# Altium PCB FPGA_SHIELD_MARK1.PcbDoc
Units mil, origin at the board's own origin, x right, y up, seen from the top; angles counter-clockwise.
Board outline 3305 x 2570 mil, 2 copper layers (Top Layer, Bottom Layer); 141 components, 161 nets, 698 pads, 4 vias.
Unrouted connection lines stored in the file: 387.
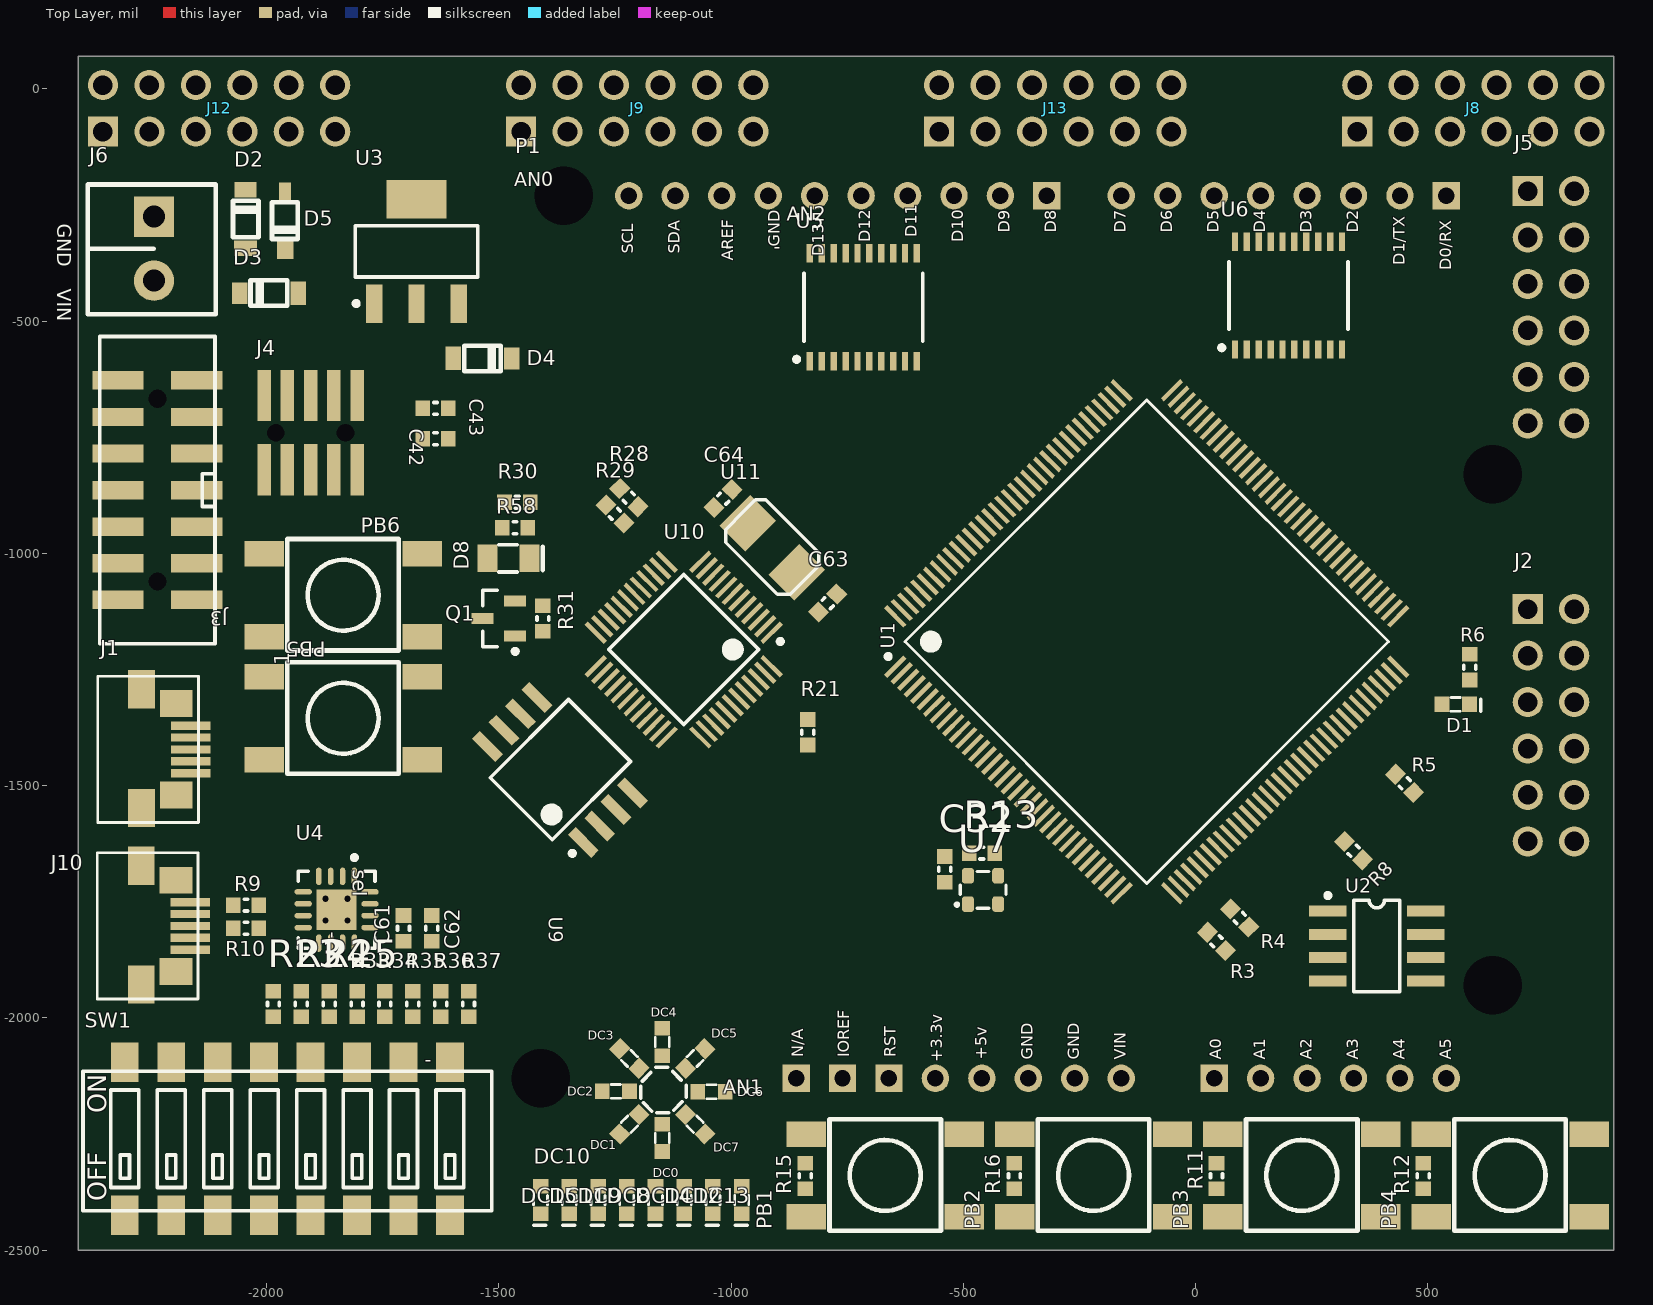
[diagram p0: Top Layer view]
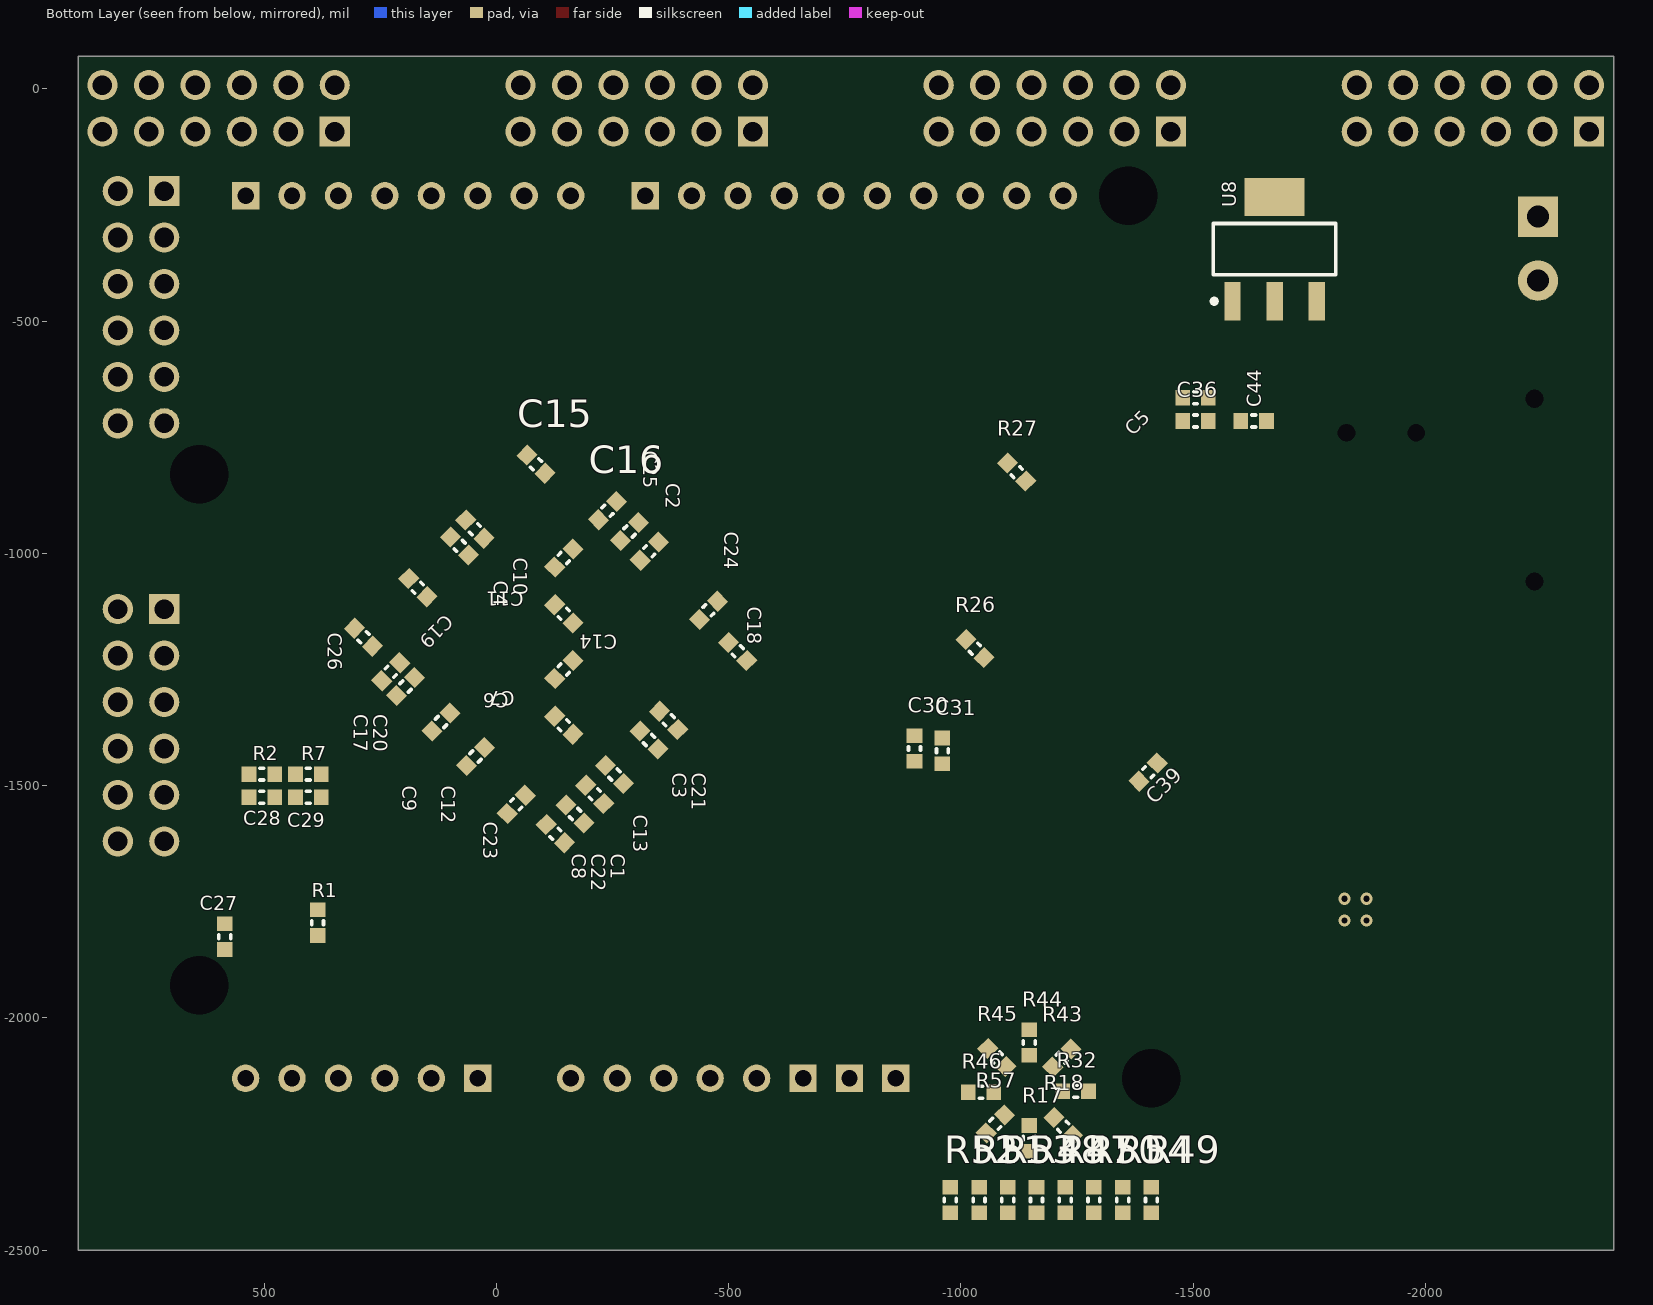
[diagram p1: Bottom Layer view, seen from below]

## Layer stack, top to bottom
Top Layer: signal copper 1.4
Dielectric: dielectric 12.6, FR-4, Dk 4.8
Bottom Layer: signal copper 1.4

## Board outline
-2405,-2500 900,-2500 900,70 -2405,70

## Design rules (kind name [scope] priority, off if disabled: settings)
Clearance Poly [InPoly] p1: gap=10
Clearance [All] p2: gap=6
ComponentClearance LEDS+Mounts [(HasFootprint('LTM-450')) vs (HasFootprint('LED T1-3/4 GREEN - 0.45" STANDOFF') OR HasFootprint('LED T1-3/4 RED -  0.45" STANDOFF'))] p1: gap=0 collisioncheckmode=3 verticalgap=0 showdistances=FALSE
ComponentClearance ComponentClearance_1 [OnLayer('Mechanical 1')] p2: gap=0 collisioncheckmode=3 verticalgap=0 showdistances=FALSE
ComponentClearance [All] p3: gap=10 collisioncheckmode=3 verticalgap=10 showdistances=FALSE
Height [All] p1: minheight=0 maxheight=1500 prefheight=500
HoleSize [All] p1: absolutevalues=TRUE maxlimit=250 minlimit=1 maxpercent=80.000 minpercent=20.000
HoleToHoleClearance [All] p1: gap=2 allowstackedmicrovias=TRUE
MinimumSolderMaskSliver [All] p1: minsoldermaskwidth=0
PlaneConnect [All] p1: planeconnectstyle=Direct reliefexpansion=20 reliefentries=4 reliefconductorwidth=10 reliefairgap=10
PolygonConnect [All] p1: connectstyle=Direct reliefconductorwidth=10 reliefentries=4 polygonreliefangle="90 Angle"
RoutingVias [All] p1: holewidth=12 width=16 viastyle="Through Hole" minholewidth=12 minwidth=16 maxholewidth=12 maxwidth=16
SilkToSilkClearance [All] p1: silktosilkclearance=0
SilkscreenOverComponentPads [All] p1: minsilkscreentomaskgap=0
SolderMaskExpansion [All] p1: expansion=4
Width [All] p1: maxlimit=100 minlimit=6 preferedwidth=6
20 further rules are at their usual default settings.

## Classes and differential pairs
component class DIGITAL_IO: C61 C62 DC0 DC1 DC2 DC3 DC4 DC5 DC6 DC7 DC8 DC9 DC10 DC11 DC12 DC13 DC14 DC15 J2 J5 J8 J9 J10 J12 J13 PB1 PB2 PB3 PB4 R9 R10 R11 R12 R15 R16 R17 R18 R23 R24 R25 R32 R33 R34 R35 R36 R37 R43 R44 R45 R46 R47 R48 R49 R50 R51 R52 R53 R54 R57 SW1 U4 U5 U6
component class FPGA_POWER_AND_CONFIGURATION: C1 C2 C3 C4 C5 C6 C7 C8 C9 C10 C11 C12 C13 C14 C15 C16 C17 C18 C19 C20 C21 C22 C23 C24 C25 C26 C27 C28 C29 C32 D1 J3 R1 R2 R3 R4 R5 R6 R7 R8 R13 U2 U7
component class LOGIC_FPGA: U1
component class LOGIC_MCU: C30 C31 C39 C63 C64 D8 J1 J4 PB5 PB6 Q1 R21 R26 R27 R28 R29 R30 R31 R58 U9 U10 U11
component class POWER_SUPPLY: C36 C42 C43 C44 D2 D3 D4 D5 J6 P1 U3 U8

## Components (designator, comment, footprint, x,y, rotation, side; value= is the part's Value field where it differs from the comment)
C1 "4.7uF" C0603 -211.67,-1518.5 r225 bottom
C2 "4.7uF" C0603 -329.05,-995.25 r135 bottom
C3 "4.7uF" C0603 -328.34,-1401.83 r225 bottom
C4 "4.7uF" C0603 79.26,-983.89 r45 bottom
C5 "4.7uF" C0603 -1505,-665 r0 bottom
C6 "4.7uF" C0603 -145.01,-1249.95 r315 bottom
C7 "4.7uF" C0603 -145.01,-1369.93 r45 bottom
C8 "4.7uF" C0603 -126.81,-1603.36 r225 bottom
C9 "4.7uF" C0603 119.26,-1362.94 r315 bottom
C10 "4.7uF" C0603 46.43,-947.87 r45 bottom
C11 "0.47uF" C0603 -145.01,-1009.99 r135 bottom
C12 "0.47uF" C0603 45.01,-1437.19 r315 bottom
C13 "0.47uF" C0603 -254.09,-1476.08 r225 bottom
C14 "0.47uF" C0603 -145.01,-1129.97 r225 bottom
C15 "4.7uF" C0603 -85.09,-808.07 r45 bottom
C16 "4.7uF" C0603 -239,-908.07 r135 bottom
C17 "4.7uF" C0603 227.45,-1254.75 r315 bottom
C18 "4.7uF" C0603 -519.26,-1210.91 r225 bottom
C19 "0.47uF" C0603 169.26,-1073.89 r45 bottom
C20 "0.47uF" C0603 195.63,-1286.57 r315 bottom
C21 "0.47uF" C0603 -370.76,-1359.41 r225 bottom
C22 "0.47uF" C0603 -169.24,-1560.93 r225 bottom
C23 "0.47uF" C0603 -42.71,-1540.07 r315 bottom
C24 "0.47uF" C0603 -456.32,-1122.52 r135 bottom
C25 "0.47uF" C0603 -286.62,-952.82 r135 bottom
C26 "0.47uF" C0603 286.14,-1180.51 r45 bottom
C27 "0.1uF" C0603 585,-1825 r270 bottom
C28 "0.1uF" C0603 505,-1525 r180 bottom
C29 "0.1uF" C0603 405,-1525 r180 bottom
C30 "0.1uF" C0603 -900,-1420 r90 bottom
C31 "0.1uF" C0603 -960,-1425 r90 bottom
C32 "0.1uF" C0603 -540,-1680 r90 top
C36 "4.7uF" C0603 -1505,-715 r0 bottom
C39 "0.1uF" C0603 -1403,-1471 r135 bottom
C42 "4.7uF" C0603 -1636.04,-753.19 r0 top
C43 "0.1uF" C0603 -1636.04,-687.91 r180 top
C44 "0.1uF" C0603 -1630,-715 r180 bottom
C61 "0.1uF" C0603 -1705,-1807 r90 top
C62 "0.1uF" C0603 -1644,-1807 r90 top
C63 "18pF" C0603 -792,-1107 r45 top
C64 "18pF" C0603 -1017,-882 r45 top
D1 "APT1608CGCK" "LED_0603 - GREEN" 560,-1325 r0 top
D2 "RB161M-20TR" SOD-123#1 -2045,-280 r0 top
D3 "RB161M-20TR" SOD-123#1 -1995,-440 r90 top
D4 "RB161M-20TR" SOD-123#1 -1535,-580 r270 top
D5 "RB161M-20TR" SOD-123#2 -1960,-335 r180 top
D8 "LED 3X1.5MM 568NM GN WTR CLR SMD" "LED_1206 - GREEN" -1480,-1010 r0 top
DC0 "LED 1.6X0.8MM 570NM GRN CLR SMD" "LED_0603 - GREEN" -1148,-2258 r90 top
DC1 "LED 1.6X0.8MM 570NM GRN CLR SMD" "LED_0603 - GREEN" -1218.71,-2228.71 r45 top
DC2 "LED 1.6X0.8MM 570NM GRN CLR SMD" "LED_0603 - GREEN" -1248,-2158 r0 top
DC3 "LED 1.6X0.8MM 570NM GRN CLR SMD" "LED_0603 - GREEN" -1218.71,-2087.29 r315 top
DC4 "LED 1.6X0.8MM 570NM GRN CLR SMD" "LED_0603 - GREEN" -1148,-2052 r270 top
DC5 "LED 1.6X0.8MM 570NM GRN CLR SMD" "LED_0603 - GREEN" -1077.29,-2087.29 r225 top
DC6 "LED 1.6X0.8MM 570NM GRN CLR SMD" "LED_0603 - GREEN" -1042,-2159 r180 top
DC7 "LED 1.6X0.8MM 570NM GRN CLR SMD" "LED_0603 - GREEN" -1077.29,-2228.71 r135 top
DC8 "LED 1.6X0.8MM 570NM GRN CLR SMD" "LED_0603 - GREEN" -1162.57,-2392 r270 top
DC9 "LED 1.6X0.8MM 570NM GRN CLR SMD" "LED_0603 - GREEN" -1224.43,-2392 r270 top
DC10 "LED 1.6X0.8MM 570NM GRN CLR SMD" "LED_0603 - GREEN" -1410,-2392 r270 top
DC11 "LED 1.6X0.8MM 570NM GRN CLR SMD" "LED_0603 - GREEN" -1286.29,-2392 r270 top
DC12 "LED 1.6X0.8MM 570NM GRN CLR SMD" "LED_0603 - GREEN" -1038.86,-2392 r270 top
DC13 "LED 1.6X0.8MM 570NM GRN CLR SMD" "LED_0603 - GREEN" -977,-2392 r270 top
DC14 "LED 1.6X0.8MM 570NM GRN CLR SMD" "LED_0603 - GREEN" -1100.71,-2392 r270 top
DC15 "LED 1.6X0.8MM 570NM GRN CLR SMD" "LED_0603 - GREEN" -1348.14,-2392 r270 top
J1 "47346-0001" 47346-0001 -2178,-1422 r0 top
J2 "SSQ-106-02-G-D-RA-005" "PMOD HEADER" 715,-1120 r270 top
J3 "87832-1420" 87832-1420 -2150,-1100 r90 top
J4 "01R3656" FTSH-105-04-F-DV -1805,-660 r180 top
J5 "SSQ-106-02-G-D-RA-005" "PMOD HEADER" 715,-220 r270 top
J6 "1776275-2" 1776275-2 -2242,-344 r270 top
J8 "SSQ-106-02-G-D-RA-005" "PMOD Header" 348,-92 r0 top
J9 "SSQ-106-02-G-D-RA-005" "PMOD Header" -1452,-92 r0 top
J10 "47346-0001" 47346-0001 -2179,-1802 r0 top
J12 "SSQ-106-02-G-D-RA-005" "PMOD Header" -2352,-92 r0 top
J13 "SSQ-106-02-G-D-RA-005" "PMOD Header" -552,-92 r0 top
P1 "Arduino Uno Header" "ARDUINO SHIELD" -860,-2130 r90 top locked
PB1 "FSM4JSMA" FSM4JSMA -668,-2339 r90 top
PB2 "FSM4JSMA" FSM4JSMA -219.67,-2339 r90 top
PB3 "FSM4JSMA" FSM4JSMA 228.67,-2339 r90 top
PB4 "FSM4JSMA" FSM4JSMA 677,-2339 r90 top
PB5 "FSM4JSMA" FSM4JSMA -1835,-1355 r90 top
PB6 "FSM4JSMA" FSM4JSMA -1835,-1090 r90 top
Q1 "NDS352AP" SOT-23 -1500,-1140 r180 top
R1 "10k" R0603 385,-1795 r270 bottom
R2 "10k" R0603 505,-1475 r0 bottom
R3 "10k" R0603 45,-1835 r315 top
R4 "10k" R0603 95,-1785 r315 top
R5 "10k" R0603 450,-1495 r315 top
R6 "200" R0603 590,-1245 r90 top
R7 "10k" R0603 405,-1475 r0 bottom
R8 "10k" R0603 340,-1640 r135 top
R9 "33" R0603 -2044,-1757 r0 top
R10 "33" R0603 -2044,-1807 r0 top
R11 "10k" R0603 45,-2340 r270 top
R12 "10k" R0603 490,-2340 r270 top
R13 "0" R0603 -460,-1645 r0 top
R15 "10k" R0603 -840,-2340 r270 top
R16 "10k" R0603 -390,-2340 r270 top
R17 "200" R0603 -1147,-2259 r90 bottom
R18 "200" R0603 -1220,-2234 r45 bottom
R21 "10k" R0603 -835,-1385 r270 top
R23 "10k" R0603 -1985,-1970 r90 top
R24 "10k" R0603 -1925,-1970 r90 top
R25 "10k" R0603 -1865,-1970 r90 top
R26 "10k" R0603 -1030,-1205 r45 bottom
R27 "10k" R0603 -1120,-825 r225 bottom
R28 "33" R0603 -1220,-880 r315 top
R29 "33" R0603 -1250,-915 r315 top
R30 "1.5k" R0603 -1460,-890 r0 top
R31 "10k" R0603 -1405,-1140 r90 top
R32 "200" R0603 -1247,-2158 r0 bottom
R33 "10k" R0603 -1805,-1970 r90 top
R34 "10k" R0603 -1745,-1970 r90 top
R35 "10k" R0603 -1685,-1970 r90 top
R36 "10k" R0603 -1625,-1970 r90 top
R37 "10k" R0603 -1565,-1970 r90 top
R43 "200" R0603 -1217,-2086 r315 bottom
R44 "200" R0603 -1147,-2053 r270 bottom
R45 "200" R0603 -1077,-2085 r225 bottom
R46 "200" R0603 -1043,-2160 r180 bottom
R47 "200" R0603 -1224.43,-2392 r270 bottom
R48 "200" R0603 -1162.57,-2392 r270 bottom
R49 "200" R0603 -1410,-2392 r270 bottom
R50 "200" R0603 -1286.29,-2392 r270 bottom
R51 "200" R0603 -1038.86,-2392 r270 bottom
R52 "200" R0603 -977,-2392 r270 bottom
R53 "200" R0603 -1100.71,-2392 r270 bottom
R54 "200" R0603 -1348.14,-2392 r270 bottom
R57 "200" R0603 -1074,-2228 r135 bottom
R58 "200" R0603 -1465,-945 r0 top
SW1 "ADE08S04" ADE08S04 -2305,-2425 r0 top
U1 "XC6SLX9-3TQG144C" TQ144_L -105,-1190 r45 top
U2 "M25PE40-VMN6TP" "SOIC 8" 390,-1845 r270 top
U3 "#NAME?" SOT223 -1677,-350 r90 top
U4 "FT230XQ" FT230x-QFN65P400X400X80-16L -1849,-1767 r270 top
U5 "TXB0108PWR" TSSOP20 -715,-470 r90 top
U6 "TXB0108PWR" TSSOP20 200,-445 r90 top
U7 "OSC-50Mhz-DNP" "ASDMB - osc" -490,-1755 r0 top
U8 "MCP1826S-1202E/DB" SOT223 -1675,-345 r90 bottom
U9 "M25PE16" SOIC127P830X200-8L -1368,-1466 r135 top
U10 "LPC1343FBD48,151" TSQFP50P900X900X145-48L -1102,-1207 r225 top
U11 "12MHz" ABM3 -967,-932 r315 top

## Footprints (in the part's own frame and the unit in brackets; to place one, negate y for a bottom-side part, rotate by r counter-clockwise, add the part's x,y. Pads: shape width x height; smd on the part's side, far side on the other; paste and mask are expansions set on the pad)
47346-0001 [mm]
  rect 2.159x0.45 smd: 1(0.381,1.3) 2(0.381,0.65) 3(0.381,0) 4(0.381,-0.65) 5(0.381,-1.3)
  rect 1.475x2.1 smd: M1(-2.3,-3.2) M1(-2.3,3.3)
  rect 1.778x1.475 smd: M1(-0.4,-2.5) M1(-0.4,2.5)
  silkscreen extent -4.7,-4 0.8,4, body extent -4.58,-3.99 0.85,3.99, height 2.97
87832-1420 [mm] "CONN HEADER 14POS 2MM VERT SMD"
  rect 1x2.8 smd: 1(0,0) 2(0,4.3) 3(2,0) 4(2,4.3) 5(4,0) 6(4,4.3) 7(6,0) 8(6,4.3) 9(8,0) 10(8,4.3) 11(10,0) 12(10,4.3) 13(12,0) 14(12,4.3)
  round 0 hole 1: M1(1,2.15) M2(11,2.15)
  silkscreen extent -2.4,-1 14.4,5.3, body extent -2.32,-1 14.32,5.3, height 7.58
1776275-2 [mm] "TE Connectivity 2-pin 3.5mm screw terminal"
  rect 2.2x2.2 hole 1.2: 1(-1.75,0)
  round 2.2 hole 1.2: 2(1.75,0)
  silkscreen extent -3.51,-3.63 3.58,3.38, body extent -4,-3.61 4,3.39, height 8.35
ABM3 [mm] "Abracon Crystal 5x3.2mm"
  rect 2x2.4 smd: 1(0.1,0) 2(3.9,0)
  silkscreen extent -0.5,-1.6 4.5,1.6, body extent -0.5,-1.6 4.5,1.6, height 1.3
ADE08S04 [mil] "SWITCH DIP SPST EXT ACT 8POS SMD"
  rect 60x85 smd: A1(0,0) A2(100,0) A3(200,0) A4(300,0) A5(400,0) A6(500,0) A7(600,0) A8(700,0) B1(0,330) B2(100,330) B3(200,330) B4(300,330) B5(400,330) B6(500,330) B7(600,330) B8(700,330)
  silkscreen extent -90,10 790,310, body extent -90,-23 788,343, height 214
"ARDUINO SHIELD" [mm] "Arduino Shield"
  rect 1.5x1.5 hole 0.9: A0(0,-2.54) A1(0,-5.08) A-1(0,0) B1(0,-22.86) C1(48.26,-35.56) D1(48.26,-13.716)
  round 1.5 hole 0.9: A2(0,-7.62) A3(0,-10.16) A4(0,-12.7) A5(0,-15.24) A6(0,-17.78) B2(0,-25.4) B3(0,-27.94) B4(0,-30.48) B5(0,-33.02) B6(0,-35.56) C2(48.26,-33.02) C3(48.26,-30.48) C4(48.26,-27.94) C5(48.26,-25.4) C6(48.26,-22.86) C7(48.26,-20.32) C8(48.26,-17.78) D2(48.26,-11.176) D3(48.26,-8.636) D4(48.26,-6.096) D5(48.26,-3.556) D6(48.26,-1.016) D7(48.26,1.524) D8(48.26,4.064) D9(48.26,6.604) D10(48.26,9.144)
  rect 0x0 hole 3.2 unplated: M(0,13.97) M(5.08,-38.1) M(33.02,-38.1) M(48.26,12.7)
  body extent -1.27,-36.86 49.53,10.39, height 8.3
"ASDMB - osc" [mm] "oscillator ASDMB - osc footprint"
  rrect50% 0.65x0.85 smd: 1(0,0) 2(1.65,0) 3(1.65,1.55) 4(0,1.55)
  silkscreen extent -0.65,-0.23 2.07,1.78, body extent -0.43,-0.23 2.07,1.76, height 0.76
C0603 [mm] "0603 Generic"
  rect 0.8x0.85 smd: 1(-0.7,0) 2(0.7,0)
  silkscreen extent -0.1,-0.33 0.1,0.33, body extent -0.8,-0.42 0.82,0.4, height 0.46
FSM4JSMA [mil] "SWITCH TACTILE SPST-NO 0.05A 12V"
  rect 55x85 smd: A(-89,170) A(-89,-170) B(89,170) B(89,-170)
  silkscreen extent -119,-120 121,120, body extent -118,-198 118,196, height 200
FT230x-QFN65P400X400X80-16L [mm] "QFN, 16-Leads, Body 4.2x4.2mm (max), Pitch 0.65mm, IPC High Density"
  oval 0.95x0.3 smd: 1(-1.825,0.975) 2(-1.825,0.325) 3(-1.825,-0.325) 4(-1.825,-0.975) 9(1.825,-0.975) 10(1.825,-0.325) 11(1.825,0.325) 12(1.825,0.975)
  oval 0.3x0.95 smd: 5(-0.975,-1.825) 6(-0.325,-1.825) 7(0.325,-1.825) 8(0.975,-1.825) 13(0.975,1.825) 14(0.325,1.825) 15(-0.325,1.825) 16(-0.975,1.825)
  rect 2.2x2.2 smd: 17(0,0)
  silkscreen extent -2.97,-2.1 2.1,2.1, body extent -2.07,-2.07 2.07,2.07, height 0.8
FTSH-105-04-F-DV [mil] "Connector for Cortex Serial Wire Debug"
  rect 29x110 smd: 1(0,0) 2(0,160) 3(50,0) 4(50,160) 5(100,0) 6(100,160) 7(150,0) 8(150,160) 9(200,0) 10(200,160)
  rect 0x0 hole 38 unplated: M(25,80) M(175,80)
  body extent -25,-35 225,195, height 264
"LED_0603 - GREEN" [mm] "LED_0603 - GREEN"
  rect 0.8x0.85 smd: A(-0.75,0) C(0.75,0)
  silkscreen extent -0.25,-0.38 1.37,0.38, body extent -0.8,-0.4 0.8,0.4, height 0.75
"LED_1206 - GREEN" [mm] "LED_1206"
  rect 1.1x1.5 smd: A(-1.13,-0.017) C(1.17,-0.017)
  silkscreen extent -0.51,-0.77 1.9,0.73, body extent -1.48,-0.77 1.52,0.73, height 1.1
"PMOD HEADER" [mil] "12 pin pmod header digilent"
  rect 65x65 hole 42: 1(0,0)
  round 65 hole 42: 2(100,0) 3(200,0) 4(300,0) 5(400,0) 6(500,0) 7(0,100) 8(100,100) 9(200,100) 10(300,100) 11(400,100) 12(500,100)
  body extent -60,-14 560,494, height 198
"PMOD Header" [mil]
  rect 65x65 hole 42: 1(0,0)
  round 65 hole 42: 2(100,0) 3(200,0) 4(300,0) 5(400,0) 6(500,0) 7(0,100) 8(100,100) 9(200,100) 10(300,100) 11(400,100) 12(500,100)
  body extent -60,-14 560,494, height 198
R0603 [mm] "0603 Generic"
  rect 0.8x0.85 smd: 1(-0.7,0) 2(0.7,0)
  silkscreen extent -0.1,-0.33 0.1,0.33, body extent -0.81,-0.41 0.81,0.41, height 0.46
SOD-123#1 [mm] "SOD-123"
  rect 1.2x0.85 smd: 1(0,1.6)
  rect 1.27x0.85 smd: 2(0,-1.6)
  silkscreen extent -0.69,-1 0.71,1, body extent -0.8,-1.85 0.8,1.85, height 1.28
SOD-123#2 [mm] "SOD-123"
  rect 0.9x0.97 smd: 1(0,0.3)
  rect 0.65x0.97 smd: 2(0,-2.9)
  silkscreen extent -0.69,-2.3 0.71,-0.3, body extent -0.8,-3.15 0.8,0.55, height 1.28
SOIC127P830X200-8L [mm] "SOIC, 8-Leads, Body 6.1x6.2mm (max), Pitch 1.27mm, IPC High Density"
  rect 1.8x0.6 smd: 1(-3.7,1.905) 2(-3.7,0.635) 3(-3.7,-0.635) 4(-3.7,-1.905) 5(3.7,-1.905) 6(3.7,-0.635) 7(3.7,0.635) 8(3.7,1.905)
  silkscreen extent -3.82,-3.05 2.4,3, body extent -4.2,-2.7 4.2,2.68, height 2.3
"SOIC 8" [mm]
  rect 0.6x2.05 smd: 1(-1.905,-2.675) 2(-0.635,-2.675) 3(0.635,-2.675) 4(1.905,-2.675) 5(1.905,2.675) 6(0.635,2.675) 7(-0.635,2.675) 8(-1.905,2.675)
  silkscreen extent -2.88,-2.8 2.5,1.25, body extent -2.49,-3.19 2.51,3.14, height 1.88
SOT223 [mm] "SOT223, 4-Leads, Body 6.7x7.3mm (max), Pitch 2.30mm, IPC High Density"
  rect 2.1x0.9 smd: 1(-2.85,2.3) 2(-2.85,0) 3(-2.85,-2.3)
  rect 2.1x3.3 smd: 4(2.85,0)
  silkscreen extent -2.97,-3.35 1.4,3.42, body extent -3.54,-3.35 3.76,3.35, height 1.75
SOT-23 [mm] "SOT-23"
  rect 1.2x0.6 smd: 1(-0.9,0.95) 2(-0.9,-0.95) 3(0.9,0)
  silkscreen extent -1.03,-1.55 0.87,1.92, body extent -1.27,-1.5 1.23,1.5, height 1.07
TQ144_L [mm] "Thin QFP, 144-Leads, Body 20x20mm, Pitch 0.5mm, IPC High Density"
  rect 1.5x0.25 smd: 1(-10.7,8.75) 2(-10.7,8.25) 3(-10.7,7.75) 4(-10.7,7.25) 5(-10.7,6.75) 6(-10.7,6.25) 7(-10.7,5.75) 8(-10.7,5.25) 9(-10.7,4.75) 10(-10.7,4.25) 11(-10.7,3.75) 12(-10.7,3.25) 13(-10.7,2.75) 14(-10.7,2.25) 15(-10.7,1.75) 16(-10.7,1.25) 17(-10.7,0.75) 18(-10.7,0.25) 19(-10.7,-0.25) 20(-10.7,-0.75) 21(-10.7,-1.25) 22(-10.7,-1.75) 23(-10.7,-2.25) 24(-10.7,-2.75) 25(-10.7,-3.25) 26(-10.7,-3.75) 27(-10.7,-4.25) 28(-10.7,-4.75) 29(-10.7,-5.25) 30(-10.7,-5.75) 31(-10.7,-6.25) 32(-10.7,-6.75) 33(-10.7,-7.25) 34(-10.7,-7.75) 35(-10.7,-8.25) 36(-10.7,-8.75) 73(10.7,-8.75) 74(10.7,-8.25) 75(10.7,-7.75) 76(10.7,-7.25) 77(10.7,-6.75) 78(10.7,-6.25) 79(10.7,-5.75) 80(10.7,-5.25) 81(10.7,-4.75) 82(10.7,-4.25) 83(10.7,-3.75) 84(10.7,-3.25) 85(10.7,-2.75) 86(10.7,-2.25) 87(10.7,-1.75) 88(10.7,-1.25) 89(10.7,-0.75) 90(10.7,-0.25) 91(10.7,0.25) 92(10.7,0.75) 93(10.7,1.25) 94(10.7,1.75) 95(10.7,2.25) 96(10.7,2.75) 97(10.7,3.25) 98(10.7,3.75) 99(10.7,4.25) 100(10.7,4.75) 101(10.7,5.25) 102(10.7,5.75) 103(10.7,6.25) 104(10.7,6.75) 105(10.7,7.25) 106(10.7,7.75) 107(10.7,8.25) 108(10.7,8.75)
  rect 0.25x1.5 smd: 37(-8.75,-10.7) 38(-8.25,-10.7) 39(-7.75,-10.7) 40(-7.25,-10.7) 41(-6.75,-10.7) 42(-6.25,-10.7) 43(-5.75,-10.7) 44(-5.25,-10.7) 45(-4.75,-10.7) 46(-4.25,-10.7) 47(-3.75,-10.7) 48(-3.25,-10.7) 49(-2.75,-10.7) 50(-2.25,-10.7) 51(-1.75,-10.7) 52(-1.25,-10.7) 53(-0.75,-10.7) 54(-0.25,-10.7) 55(0.25,-10.7) 56(0.75,-10.7) 57(1.25,-10.7) 58(1.75,-10.7) 59(2.25,-10.7) 60(2.75,-10.7) 61(3.25,-10.7) 62(3.75,-10.7) 63(4.25,-10.7) 64(4.75,-10.7) 65(5.25,-10.7) 66(5.75,-10.7) 67(6.25,-10.7) 68(6.75,-10.7) 69(7.25,-10.7) 70(7.75,-10.7) 71(8.25,-10.7) 72(8.75,-10.7) 109(8.75,10.7) 110(8.25,10.7) 111(7.75,10.7) 112(7.25,10.7) 113(6.75,10.7) 114(6.25,10.7) 115(5.75,10.7) 116(5.25,10.7) 117(4.75,10.7) 118(4.25,10.7) 119(3.75,10.7) 120(3.25,10.7) 121(2.75,10.7) 122(2.25,10.7) 123(1.75,10.7) 124(1.25,10.7) 125(0.75,10.7) 126(0.25,10.7) 127(-0.25,10.7) 128(-0.75,10.7) 129(-1.25,10.7) 130(-1.75,10.7) 131(-2.25,10.7) 132(-2.75,10.7) 133(-3.25,10.7) 134(-3.75,10.7) 135(-4.25,10.7) 136(-4.75,10.7) 137(-5.25,10.7) 138(-5.75,10.7) 139(-6.25,10.7) 140(-6.75,10.7) 141(-7.25,10.7) 142(-7.75,10.7) 143(-8.25,10.7) 144(-8.75,10.7)